# Altium PCB 3-as-manufactured.pcbdoc (part 9 of 12) (continued)
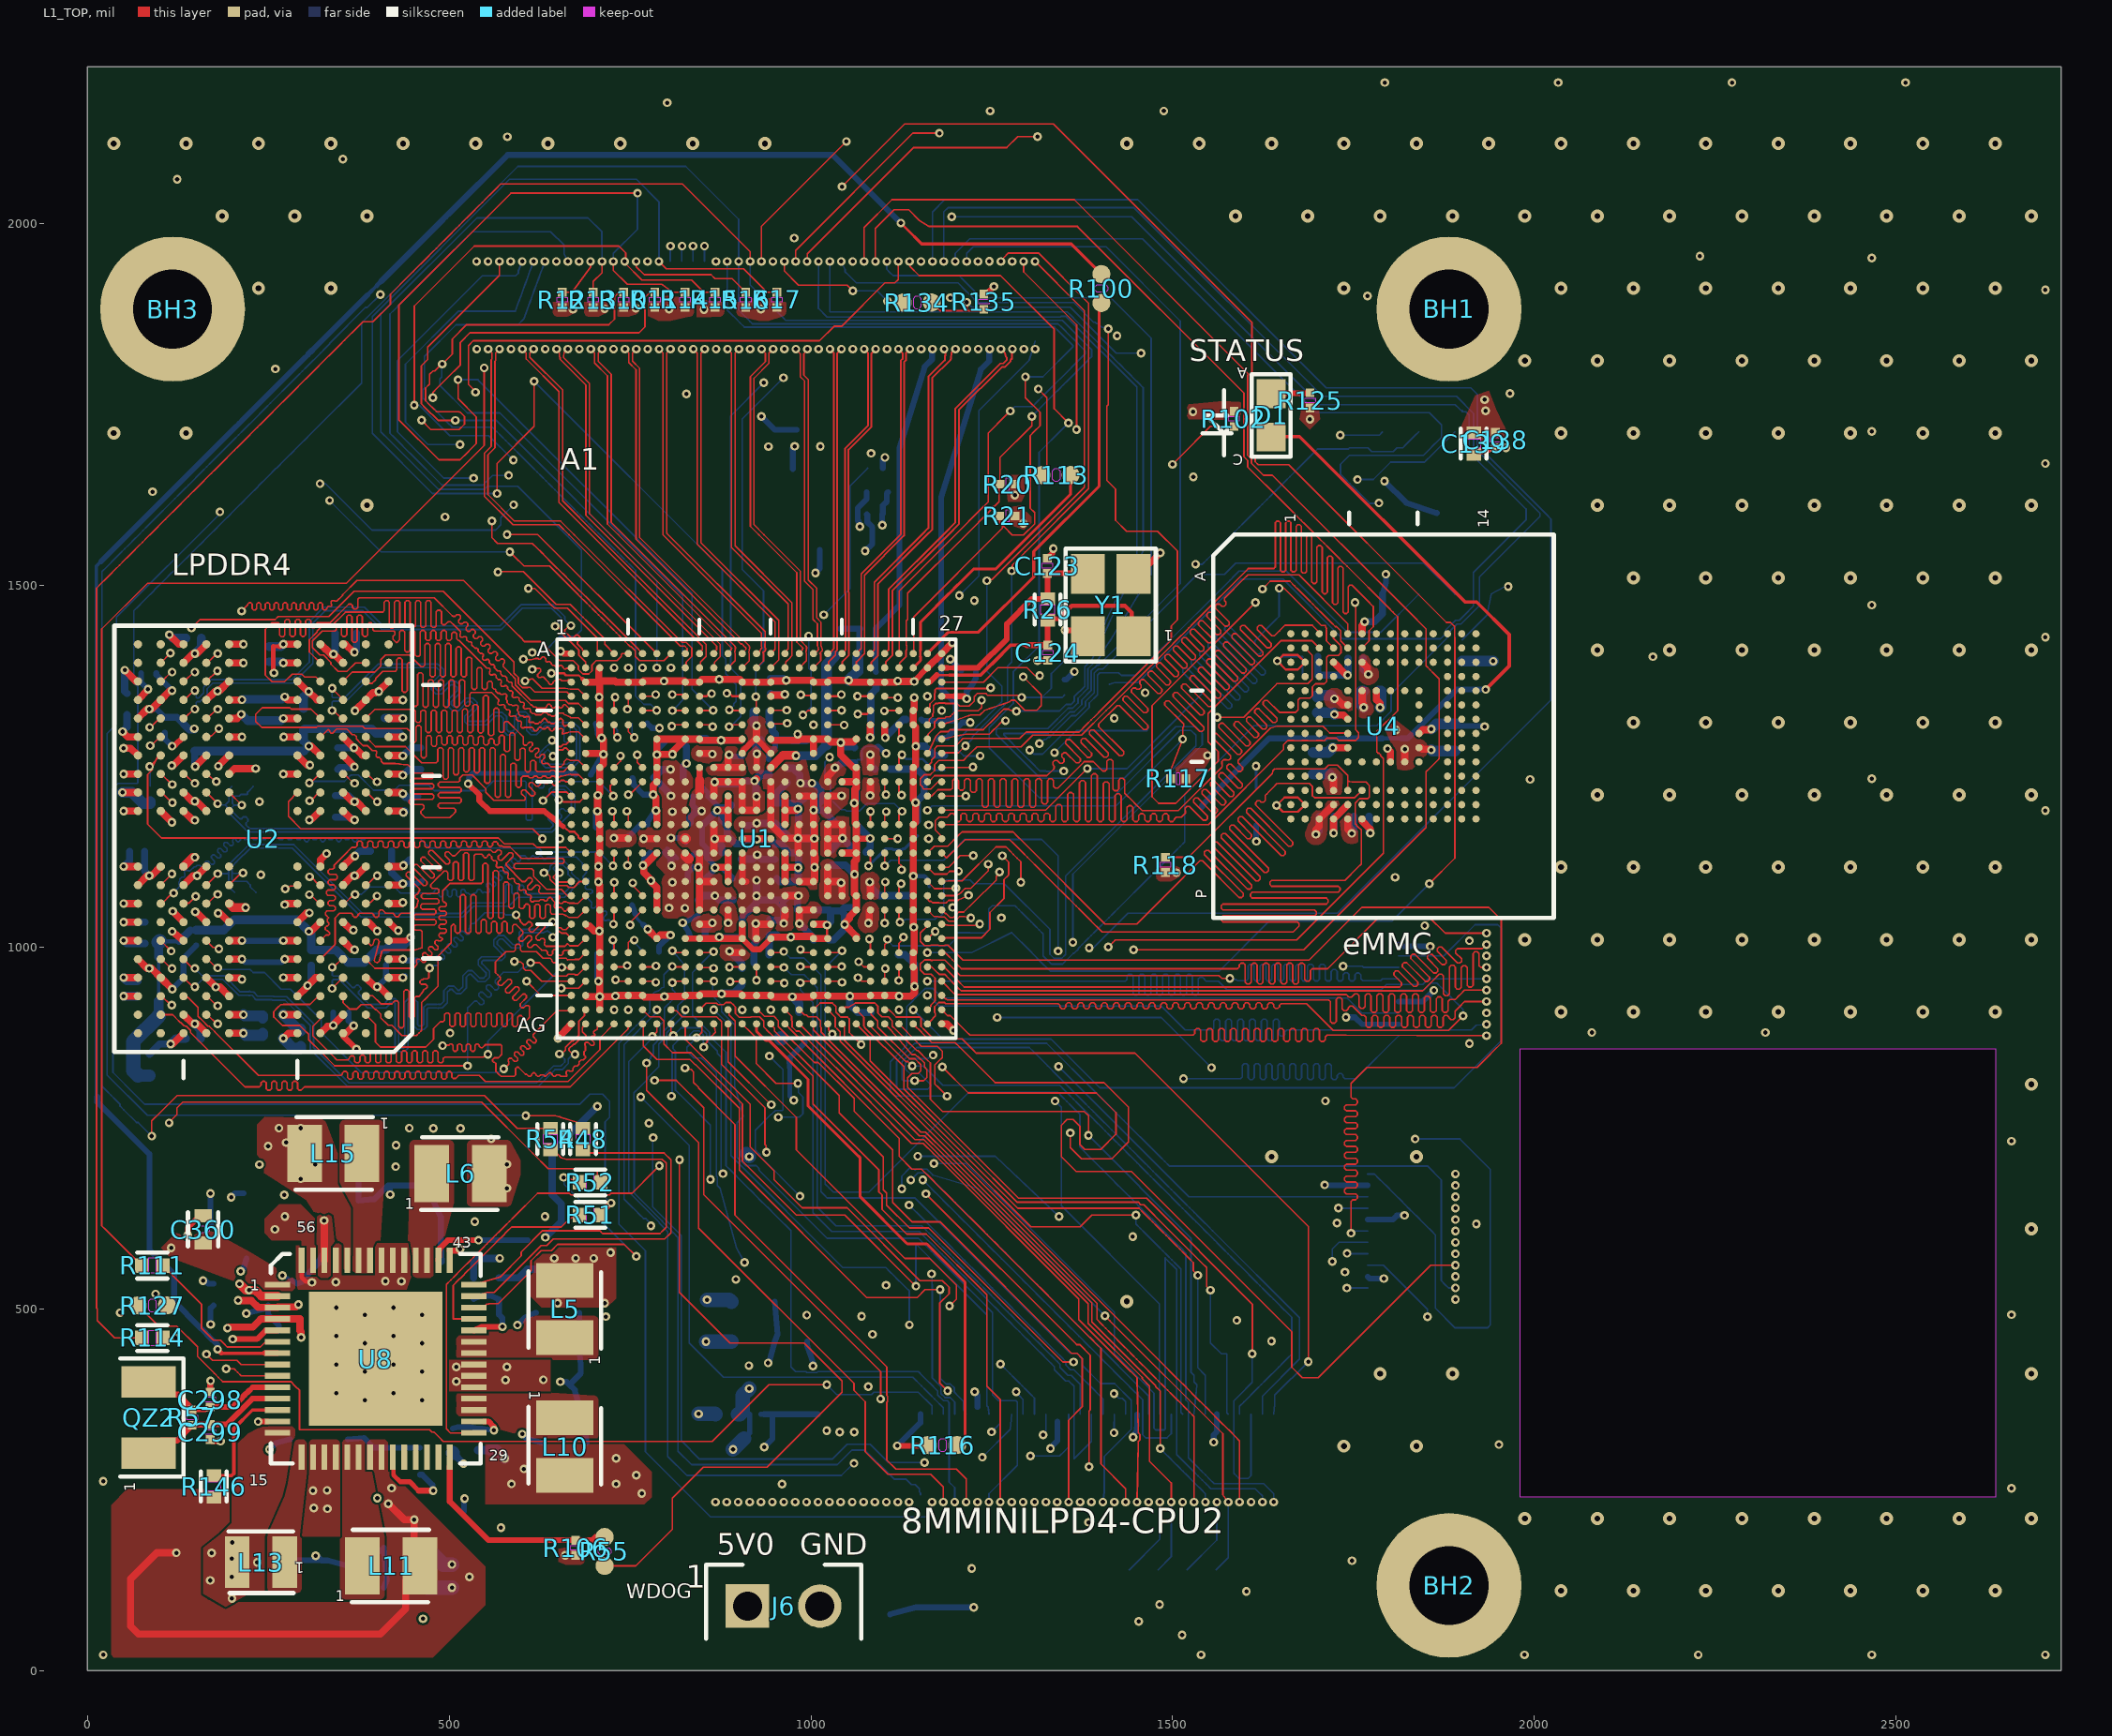
[diagram p0: L1_TOP view]
## Nets (pads, with @x,y where several pads share a name; then routed paths per layer and width w, separated by ;. In a path a pad name is that pad's centre, name@x,y a point inside that pad or via, vN(x,y) a via of type N, cw(c..) or ccw(c..) an arc to the next point about the centre after c; other vN are vias at no path point) (continued)
  other v1: 1163,1169
SD3_DATA4: U1.N27 U4.B3 | length 1677.3
  L1_TOP w2.2: U1.N27@1180.8,1169.58 1180.91,1169.49 1286.96,1169.49 1549.49,1169.49 1653.39,1273.39 1653.39,1279.81 1659.15,1285.58 1667.31,1285.58 1667.57,1285.31 1678.57,1285.31 1678.83,1285.58 1686.99,1285.58 1687.25,1285.31 1698.26,1285.31 1698.52,1285.58 1706.68,1285.58 1706.94,1285.31 1709.4,1285.31 1712.97,1288.88 1726.36,1288.88 1729.69,1285.55 1752.56,1285.55 1756.88,1289.87 1756.88,1296.54 1752.82,1300.6 1752.82,1317.36 1752.82,1367.75 1752.82,1401.34 1752.82,1475.53 v1(1751.97,1476.38) ; v1(1614.17,1476.38) 1598.65,1460.86 1471.55,1333.75 1471.55,1208.02 1480.63,1198.94 1504.4,1198.94 1521.97,1216.51 1527.83,1222.36 1533.68,1228.22 1539.54,1234.08 1557.11,1251.65 1562.97,1257.5 1562.97,1270.03 1548.88,1284.12 1548.88,1322.9 1649.86,1423.88 1650.67,1423.5 1692.64,1423.49 U4.B3@1702.6,1413.53
  L6_INNER2 w2.2: v1(1614.17,1476.38) v1(1751.97,1476.38)
SD3_DATA5: U1.M27 U4.B4 | length 1657.1
  L1_TOP w2.2: U1.M27@1180.8,1189.27 U1.M27@1180.8,1189.27 1324.47,1189.31 1376.16,1241 v1(1382.01,1246.85) ; v1(1647.14,1496.14) 1653.88,1496.14 1705.26,1444.76 1710.8,1444.76 1712.52,1440.04 ; 1712.51,1438.53 1712.51,1423.3 U4.B4@1722.28,1413.53
  L8_BOT w2.2: v1(1382.01,1246.85) 1413.28,1246.85 1436.73,1246.85 1504.8,1314.93 1510.99,1321.12 1517.18,1327.31 1539.47,1349.6 1540.25,1350.37 1540.25,1353.85 1514.03,1380.07 1514.03,1383.55 1516.35,1385.87 1519.83,1385.87 1575.74,1329.95 1579.22,1329.95 1581.54,1332.27 1581.54,1335.75 1525.62,1391.67 1525.62,1395.15 1527.94,1397.47 1531.42,1397.47 1587.34,1341.55 1590.82,1341.55 1593.14,1343.87 1593.14,1347.35 1537.22,1403.27 1537.22,1406.74 1539.54,1409.06 1543.02,1409.06 1598.94,1353.15 1602.42,1353.15 1604.73,1355.47 1604.73,1358.94 1548.82,1414.86 1548.82,1418.34 1551.14,1420.66 1554.61,1420.66 1610.53,1364.74 1614.01,1364.74 1616.33,1367.06 1616.33,1370.54 1560.41,1426.46 1560.41,1429.94 1562.73,1432.26 1566.21,1432.26 1622.13,1376.34 1625.61,1376.34 1627.93,1378.66 1627.93,1382.14 1572.01,1438.06 1572.01,1441.53 1574.33,1443.85 1577.81,1443.85 1616.52,1405.14 1620,1405.14 1622.32,1407.46 1622.32,1410.94 1613.3,1419.95 1613.3,1423.43 1640.95,1451.08 1647.14,1457.27 v1(1647.14,1496.14)
SD3_DATA6: U1.L27 U4.B5 | length 1669.2
  L1_TOP w2.2: U1.L27@1180.8,1208.96 v1@1213.96,1208.96 ; v1(1624,1495) 1634.79,1505.79 1661.96,1505.79 1668.3,1499.44 1674.65,1493.09 1681,1486.75 1687.34,1480.4 1693.69,1474.05 1700.03,1467.71 1706.38,1461.36 1712.73,1455.02 1719.07,1448.67 1724.69,1443.06 1726.36,1443.06 1732.12,1437.29 1732.12,1423.38 U4.B5@1741.97,1413.53
  L6_INNER2 w2.2: v1(1214,1209) 1364.03,1209 1365.59,1209 1368.05,1211.46 1368.05,1214.94 1358.69,1224.3 1358.69,1227.78 1361.01,1230.09 1364.49,1230.09 1383.24,1211.34 1386.72,1211.34 1389.04,1213.66 1389.04,1217.14 1375.96,1230.21 1375.96,1233.69 1378.28,1236.01 1381.76,1236.01 1394.84,1222.93 1398.32,1222.93 1400.64,1225.25 1400.64,1228.73 1390.44,1238.93 1390.44,1242.41 1392.76,1244.73 1396.24,1244.73 1406.44,1234.53 1409.91,1234.53 1412.23,1236.85 1412.23,1240.33 1393.48,1259.09 1393.48,1262.56 1395.8,1264.88 1399.28,1264.88 1418.03,1246.13 1421.51,1246.13 1423.83,1248.45 1423.83,1251.93 1405.07,1270.68 1405.07,1274.16 1407.39,1276.48 1410.87,1276.48 1429.63,1257.72 1433.11,1257.72 1435.43,1260.04 1435.43,1263.52 1416.67,1282.28 1416.67,1285.76 1418.99,1288.08 1422.47,1288.08 1441.23,1269.32 1444.7,1269.32 1447.02,1271.64 1447.02,1275.12 1428.27,1293.88 1428.27,1297.35 1430.59,1299.67 1434.07,1299.67 1452.82,1280.92 1456.3,1280.92 1458.62,1283.24 1458.62,1286.72 1439.86,1305.47 1439.86,1308.95 1442.18,1311.27 1445.66,1311.27 1464.42,1292.51 1467.9,1292.51 1470.22,1294.83 1470.22,1298.31 1451.46,1317.07 1451.46,1320.55 1453.78,1322.87 1457.26,1322.87 1476.01,1304.11 1479.49,1304.11 1481.81,1306.43 1481.81,1309.91 1463.06,1328.67 1463.06,1332.14 1465.38,1334.46 1468.85,1334.46 1487.61,1315.71 1491.09,1315.71 1493.41,1318.03 1493.41,1321.51 1474.65,1340.26 1474.65,1343.74 1476.97,1346.06 1480.45,1346.06 1499.21,1327.3 1502.69,1327.3 1505.01,1329.62 1505.01,1333.1 1486.25,1351.86 1486.25,1355.34 1488.57,1357.66 1492.05,1357.66 1510.8,1338.9 1514.28,1338.9 1516.6,1341.22 1516.6,1344.7 1497.85,1363.45 1497.85,1366.93 1500.17,1369.25 1503.64,1369.25 1522.4,1350.5 1525.88,1350.5 1528.2,1352.82 1528.2,1356.29 1509.44,1375.05 1509.44,1378.53 1511.76,1380.85 1515.24,1380.85 1534,1362.09 1537.48,1362.09 1539.8,1364.41 1539.8,1367.89 1521.04,1386.65 1521.04,1390.13 1523.36,1392.45 1526.84,1392.45 1545.59,1373.69 1549.07,1373.69 1551.39,1376.01 1551.39,1379.49 1532.64,1398.24 1532.64,1401.72 1534.96,1404.04 1538.43,1404.04 1557.19,1385.29 1560.67,1385.29 1562.99,1387.61 1562.99,1391.08 1544.23,1409.84 1544.23,1413.32 1546.55,1415.64 1550.03,1415.64 1562.1,1403.57 1565.57,1403.57 1578,1416 1578,1435.81 1578,1471 1602,1495 v1(1624,1495)
SD3_DATA7: U1.K27 U4.B6 | length 1754.6
  L1_TOP w2.2: U1.K27@1180.81,1228.64 1175.87,1228.64 1165.72,1218.49 1155.56,1218.49 1154.55,1221.03 1154.06,1221.77 1151.27,1224.56 1151.27,1232.72 1157.03,1238.48 1165.19,1238.48 1170.95,1244.25 1170.95,1252.4 1176.72,1258.17 1188.07,1258.17 ; 1188.07,1258.16 1210.7,1258.16 1216.97,1264.43 ; 1216.98,1264.43 1223.25,1270.7 1229.51,1276.97 1290.68,1276.97 1306.71,1293 1374.06,1293 1408.13,1327.07 1414.46,1333.4 1439.77,1358.72 1446.1,1365.04 1496.73,1415.67 1503.05,1422 1522.04,1440.98 1528.37,1447.31 1604.31,1523.25 1638.49,1523.25 1639.6,1523.25 1641.76,1525.41 1641.76,1586.58 1643.92,1588.74 1646.8,1588.74 1648.96,1586.58 1648.96,1520.88 1651.12,1518.72 1654,1518.72 1656.16,1520.88 1656.16,1586.58 1658.32,1588.74 1661.2,1588.74 1663.36,1586.58 1663.36,1520.88 1665.52,1518.72 1668.4,1518.72 1670.56,1520.88 1670.56,1581.63 1672.72,1583.79 1675.6,1583.79 1677.76,1581.63 1677.76,1519.32 1679.92,1517.16 1682.8,1517.16 1684.96,1519.32 1684.96,1567.23 1687.12,1569.39 1690,1569.39 1692.16,1567.23 1692.16,1504.92 1694.32,1502.76 1697.2,1502.76 1699.36,1504.92 1699.36,1552.83 1701.52,1554.99 1704.4,1554.99 1706.56,1552.83 1706.56,1490.52 1708.72,1488.36 1711.6,1488.36 1713.76,1490.52 1713.76,1538.43 1715.92,1540.59 1718.8,1540.59 1720.96,1538.43 1720.96,1476.12 1723.12,1473.96 1726,1473.96 1728.16,1476.12 1728.16,1524.03 1730.32,1526.19 1733.2,1526.19 1735.36,1524.03 1735.36,1463.25 1737.52,1461.09 1740.4,1461.09 1742.56,1463.25 1742.56,1498.1 1744.72,1500.26 1747.77,1500.26 1768.58,1479.45 1777.26,1470.77 1777.26,1443.06 1771.49,1437.29 1771.49,1423.38 U4.B6@1761.65,1413.53
SD3_STROBE: U1.P27 U4.H5 | length 1758.8
  L1_TOP w2.2: U1.P27@1180.8,1149.9 1180.79,1153.2 1172.1,1161.89 1172.1,1174.81 1177.01,1179.72 1187.29,1179.72 1188.39,1179.72 1190.85,1182.18 1190.85,1182.57 1193.31,1185.03 1196.59,1185.03 1199.05,1182.57 1199.05,1176.15 1201.51,1173.69 1204.79,1173.69 1207.25,1176.15 1207.25,1182.65 1209.71,1185.11 1212.99,1185.11 1215.45,1182.65 1215.45,1176.15 1217.91,1173.69 1221.19,1173.69 1223.65,1176.15 1223.65,1182.65 1226.11,1185.11 1229.39,1185.11 1231.85,1182.65 1231.85,1176.15 1234.31,1173.69 1237.59,1173.69 1240.05,1176.15 1240.05,1182.65 1242.51,1185.11 1245.79,1185.11 1248.25,1182.65 1248.25,1176.15 1250.71,1173.69 1253.99,1173.69 1256.45,1176.15 1256.45,1182.65 1258.91,1185.11 1262.19,1185.11 1264.65,1182.65 1264.65,1176.15 1267.11,1173.69 1270.39,1173.69 1272.85,1176.15 1272.85,1182.65 1275.31,1185.11 1278.59,1185.11 1281.05,1182.65 1281.05,1176.15 1283.51,1173.69 1286.79,1173.69 1289.25,1176.15 1289.25,1182.65 1291.71,1185.11 1294.99,1185.11 1297.45,1182.65 1297.45,1176.15 1299.91,1173.69 1303.19,1173.69 1305.65,1176.15 1305.65,1182.65 1308.11,1185.11 1311.39,1185.11 1313.85,1182.65 1313.85,1176.15 1316.31,1173.69 1319.59,1173.69 1322.05,1176.15 1322.05,1182.65 1324.51,1185.11 1327.79,1185.11 1330.25,1182.65 1330.25,1176.15 1332.71,1173.69 1335.99,1173.69 1338.45,1176.15 1338.45,1194.89 1340.91,1197.35 1344.19,1197.35 1346.65,1194.89 1346.65,1176.15 1349.11,1173.69 1352.39,1173.69 1354.85,1176.15 1354.85,1211.29 1357.31,1213.75 1360.59,1213.75 1363.05,1211.29 1363.05,1176.15 1365.51,1173.69 1368.79,1173.69 1371.25,1176.15 1371.25,1227.69 1373.71,1230.15 1376.99,1230.15 1379.45,1227.69 1379.45,1176.15 1381.91,1173.69 1385.19,1173.69 1387.65,1176.15 1387.65,1237.16 1390.11,1239.62 1393.39,1239.62 1395.85,1237.16 1395.85,1176.15 1398.31,1173.69 1401.59,1173.69 1404.05,1176.15 1404.05,1225.99 1406.51,1228.45 1409.79,1228.45 1412.25,1225.99 1412.25,1176.15 1414.71,1173.69 1417.99,1173.69 1420.45,1176.15 1420.45,1209.59 1422.91,1212.05 1426.19,1212.05 1428.65,1209.59 1428.65,1176.15 1431.11,1173.69 1434.39,1173.69 1436.85,1176.15 1436.85,1193.19 1439.31,1195.65 1442.59,1195.65 1445.05,1193.19 1445.05,1176.15 1447.51,1173.69 1450.79,1173.69 1453.25,1176.15 1453.25,1182.09 1455.71,1184.55 1458.99,1184.55 1461.45,1182.09 1461.45,1176.15 1463.91,1173.69 1467.19,1173.69 1469.65,1176.15 1469.65,1182.09 1472.11,1184.55 1475.39,1184.55 1477.85,1182.09 1477.85,1176.15 1480.31,1173.69 1483.59,1173.69 1486.05,1176.15 1486.05,1182.09 1488.51,1184.55 1491.79,1184.55 1494.25,1182.09 1494.25,1176.15 1496.71,1173.69 1499.99,1173.69 1502.45,1176.15 1502.45,1177.26 1504.91,1179.72 1510.96,1179.72 1511.94,1179.72 1515.02,1182.8 1516.64,1184.42 1517.42,1185.19 1517.42,1188.67 1517.28,1188.81 1517.28,1192.29 1519.6,1194.61 1523.08,1194.61 1542.26,1175.42 1545.74,1175.42 1548.06,1177.74 1548.06,1181.22 1528.88,1200.41 1528.88,1203.89 1531.2,1206.2 1534.67,1206.2 1555.73,1185.15 1559.21,1185.15 1561.53,1187.47 1561.53,1190.95 1540.47,1212 1540.47,1215.48 1542.79,1217.8 1546.27,1217.8 1567.33,1196.75 1570.81,1196.75 1573.13,1199.07 1573.13,1202.54 1552.07,1223.6 1552.07,1227.08 1554.39,1229.4 1557.87,1229.4 1578.92,1208.34 1582.4,1208.34 1584.72,1210.66 1584.72,1214.14 1563.67,1235.2 1563.67,1238.68 1565.99,1240.99 1569.46,1240.99 1590.52,1219.94 1594,1219.94 1596.32,1222.26 1596.32,1225.74 1574.99,1247.07 1574.99,1250.55 1577.31,1252.87 1580.79,1252.87 1590.74,1242.92 1594.22,1242.92 1596.53,1245.24 1596.53,1248.71 1590.48,1254.77 1590.48,1258.25 1635.17,1302.94 1643.46,1305.4 1645.97,1305.4 1707.6,1305.4 1717,1296 1741.39,1296 U4.H5@1741.97,1295.42
SPDIF_EXT_CLK: J5.63 U1.AF8 | length 956.7
  L1_TOP w2.2: U1.AF8@806.78,913.68 808.27,912.19 814.04,912.19 822.39,903.84 869.91,903.84 876.42,897.32 876.42,838.1 936.64,777.88 936.64,727.14 938.18,725.6 938.18,717.17 v1(938.61,716.74)
  L3_INNER1 w2.2: v1(938.61,716.74) 938.61,716.46 940.07,715 969.99,685.07 976.3,678.77 982.6,672.46 1096.09,558.97 1303.5,351.57 v1(1303.5,296.88)
  L8_BOT w2.2: v1(1303.5,296.88) 1343.6,296.88 1349.92,303.2 1356.24,309.52 J5.63@1356.25,354.53
SPDIF_RX: J5.59 U1.AG9 | length 909.8
  L1_TOP w2.2: U1.AG9@826.47,893.99 826.47,872.53 916,783 916,724.08 925.08,715 948.99,691.08 948.99,678.87 987.88,639.97 1049.97,639.97 1150.63,539.32 1181.68,539.32 1191,530 1191,521.13 1178,508.13 1178,398 v1(1189,387)
  L6_INNER2 w2.2: v1(1189,387) 1210.6,365.4 1281.6,365.4 v1(1321,326)
  L8_BOT w2.2: v1(1321,326) 1321,328.53 1324.76,332.29 J5.59@1324.76,354.53
SPDIF_TX: J5.57 U1.AF9 | length 873.9
  L3_INNER1 w2.2: v1(807.39,794.2) 807.47,794.12 867.23,794.12 901.38,794.12 952.61,794.12 958.47,788.26 964.33,782.4 970.19,776.54 976.05,770.68 976.05,713.97 982.06,707.96 994.23,695.79 1000.39,689.62 1012.72,677.3 1018.88,671.14 1031.2,658.82 1037.37,652.65 1049.69,640.33 1055.85,634.17 1068.17,621.85 1074.34,615.68 1086.66,603.36 1092.82,597.2 1098.98,591.04 1105.14,584.87 1123.63,566.39 1129.79,560.23 1135.95,554.07 1142.12,547.9 1154.44,535.58 1160.6,529.42 1160.6,513.79 1226.41,447.99 1232.39,442.01 1238.37,436.02 1244.35,430.04 1250.33,424.06 v1(1261.83,424.06)
  L8_BOT w2.2: v1(807.39,794.2) 808.3,795.11 808.3,854.85 800.7,862.45 800.7,881.85 809.89,891.04 809.89,891.66 824.69,906.46 826.47,906.46 v1(826.47,913.68) ; v1(1261.83,424.06) 1275.24,410.66 1280.86,405.03 1286.49,399.4 1292.12,393.78 1297.74,388.15 1303.37,382.52 1309,376.9 J5.57@1309,354.53
SWOUT_3V3: C410.1 U8.23 | length 120
  L1_TOP w5.71: U8.23@422.31,295.4 423.45,294.26 423.45,270.64
  L1_TOP w6.29: 423.45,270.64 432.57,261.53
  L1_TOP w6.88: 432.57,261.53 445.47,261.53 458,249
  L1_TOP w8.05: 458,249 v1(478,249)
  L8_BOT w8.05: C410.1@460,271 463,271 477.24,256.76 477.24,249.76 v1(478,249)
SYS_NRST: J5.39 R127.1 | length 1273.4
  L1_TOP w2.2: R127.1@70,505 75.69,499.31 81.38,493.62 87.06,487.94 92.75,482.25 98.44,476.56 123.62,476.56 152.37,447.81 152.37,434.56 158.19,428.75 163.99,422.95 169.8,417.14 175.6,411.33 181.41,405.53 187.21,399.72 195.76,399.72 204.31,399.72 212.85,399.72 221.4,399.72 229.95,399.72 238.49,399.72 247.04,399.72 255.59,399.72 264.13,399.72 272.68,399.72 281.23,399.72 287.36,393.59 293.49,387.46 293.49,333.41 301.6,333.41 301.96,333.06 473.32,333.06 475.83,330.56 475.83,330.17 479.08,330.17 481.23,328.01 486.63,322.61 492.03,317.21 500.88,317.21 509.73,317.21 518.58,317.21 527.44,317.21 536.29,317.21 545.14,317.21 553.99,317.21 562.84,317.21 571.7,317.21 580.55,317.21 589.4,317.21 598.25,317.21 607.1,317.21 615.95,317.21 624.81,317.21 633.66,317.21 642.51,317.21 651.36,317.21 660.21,317.21 669.07,317.21 677.92,317.21 686.77,317.21 695.62,317.21 704.47,317.21 713.33,317.21 722.18,317.21 731.03,317.21 739.88,317.21 748.73,317.21 757.59,317.21 766.44,317.21 775.29,317.21 784.14,317.21 792.99,317.21 801.84,317.21 810.7,317.21 819.55,317.21 828.4,317.21 837.25,317.21 846.1,317.21 854.96,317.21 863.81,317.21 941.98,395.38 1013.73,395.38 v1(1022.04,395.38)
  L8_BOT w2.2: v1(1022.04,395.38) 1029.41,388.01 1035.57,381.85 1083.94,381.85 1087.15,385.06 1148.27,385.06 1167.28,366.05 J5.39@1167.28,354.53
SYS_STATUS: Q1.1 U1.P26 | length 536.4
  L3_INNER1 w2.2: v1(1163,1150) 1177,1136 1250.41,1136 1258.41,1144 1509.45,1144 1615.24,1249.79 v1(1615.24,1250.23)
  L8_BOT w4.1: v1(1615.24,1250.23) 1615.24,1219.73 Q1.1@1615.47,1219.5
TEST_MODE: J4.56 R134.2 | length 195
  L1_TOP w2.2: v1(963.26,1947.75) 963.26,1934.57 983,1914.83 1050.22,1914.83 v1(1058.05,1906.99) ; v1(1105.81,1892.7) 1107.52,1891 R134.2@1126.99,1891
  L8_BOT w2.2: v1(1058.05,1906.99) 1091.52,1906.99 v1(1105.81,1892.7)
TESTMODE: R134.1 R135.1 U1.D26 | length 1055.5
  L1_TOP w2.2: R134.1@1166.99,1891 1178.41,1879.58 1213.76,1879.58 ; v1(1215.6,1891.22) 1215.6,1881.42 1213.76,1879.57 ; R135.1@1239,1881.48 1233.28,1879.57 1213.76,1879.57
  L3_INNER1 w2.2: v1(1161.11,1346.75) 1161.48,1346.38 1161.48,1322.07 1170.55,1313 1196.93,1313 1212.74,1328.81 1225,1328.81 1241.11,1328.81 1241.83,1329.54 1247.9,1335.6 1266.09,1353.8 1266.28,1353.98 1266.28,1389.12 1449.41,1572.25 1449.41,1813.93 v1(1456.45,1820.97)
  L8_BOT w2.2: v1(1215.6,1891.22) 1218.98,1887.85 1222.35,1884.48 1316.01,1884.48 1358.58,1884.48 1422.08,1820.97 1430.68,1820.97 v1(1456.45,1820.97)
TS_RES_EXT: R103.1 U1.J24 | length 87
  L1_TOP w3: U1.J24@1121.74,1248.32 1121.74,1262.01 v1(1125.7,1265.97)
  L8_BOT w3: v1(1125.7,1265.97) 1131.77,1259.9 1154.89,1259.9 1170.4,1244.39 R103.1@1184.52,1244.39
TS_TEST_OUT: U1.J23
UART1_CTS: J8.5 U1.E18 | length 1610.4
  L1_TOP w2.2: v1(989,1321) 989.74,1321 995.77,1327.03 U1.E18@1003.6,1327.03
  L3_INNER1 w2.2: v1(996.91,1430.16) 997.23,1430.48 1007.31,1430.48 1014.43,1423.36 1014.43,1250.57 1031.42,1233.58 1031.42,1197.53 1054.99,1173.95 1055.57,1173.36 1087.08,1173.36 1091.84,1168.61 1096.59,1163.86 1101.34,1159.11 1101.34,1137.65 1105.06,1133.93 1109.73,1129.25 1178.96,1129.25 1194.38,1113.84 1195.02,1113.2 1196.84,1113.2 1202.41,1114.16 cw(c1204,1105) 1205.86,1114.11 1210.4,1113.2 1220.45,1103.14 1239.32,1103.14 1252.83,1089.63 1274.76,1089.63 1280.22,1095.1 1285.69,1100.57 1294.24,1100.57 1299.3,1095.51 1304.35,1090.45 1309.41,1085.39 1662.57,1085.39 1681.3,1066.66 1687.54,1060.42 1693.78,1054.17 1700.03,1047.93 1706.27,1041.69 1712.51,1035.44 1718.76,1029.2 1725,1022.96 1731.24,1016.71 1806.16,941.8 1812.4,935.55 1818.65,929.31 1824.89,923.07 1831.13,916.82 1837.37,910.58 1881.08,866.88 1881.08,858.05 1881.08,699.03 1881.08,663.69 1886.59,658.17 v1(1890.63,655.12)
  L8_BOT w2.2: v1(989,1321) 1000.3,1332.3 1000.3,1382.11 996.91,1385.5 v1(996.91,1430.16)
UART1_RTS: J8.13 U1.D18 | length 1601.8
  L1_TOP w2.2: v1(986,1348.92) 987.08,1347.84 1002.55,1347.84 U1.D18@1003.63,1346.75
  L3_INNER1 w2.2: 985.67,1366.36 985.67,1349.25 v1(986,1348.92) ; 985.65,1366.39 985.65,1379.45 983.1,1382 957.27,1382 952.14,1376.88 952.14,1281.85 952.88,1281.11 952.88,1222.12 970,1205 1008.56,1205 1016.99,1196.57 1016.99,1178.2 1032.04,1163.15 1032.04,1144.78 1032.04,1139.23 1046.86,1124.41 1107.22,1124.41 1111.79,1119.84 1141.17,1119.84 1141.88,1119.72 1142.89,1119.37 1169.46,1110.2 1190.03,1093.49 1190.64,1093 1191.42,1093 1225,1093 1237.69,1093 1258.09,1072.6 1649.84,1072.6 1662.17,1060.27 1668.33,1054.11 1674.49,1047.94 1705.31,1017.13 1711.48,1010.96 1717.64,1004.8 1820.5,901.94 1820.5,661.27 1886.59,595.18 v1(1890.63,592.13)
UART1_RXD: J8.11 U1.E14 | length 2599.7
  L1_TOP w2.2: v1(924,1346.05) 924.44,1345.61 924.44,1327.51 U1.E14@924.89,1327.06
  L6_INNER2 w2.2: v1(962,1787) 983.22,1808.22 1472.08,1808.22 1488.86,1825 1693,1825 1944,1574 1944,1411.28 1955.05,1400.23 1955.05,1082.56 1944,1071.51 1944,661.24 v1(1890.63,607.87)
  L8_BOT w2.2: v1(924,1346.05) 924,1384.02 934.69,1394.71 934.69,1492.31 905,1522 905,1730 v1(962,1787)
UART1_TXD: J8.7 U1.F13 | length 2561.4
  L1_TOP w2.2: v1(886.83,1304.74) 889.47,1307.38 U1.F13@905.21,1307.38
  L6_INNER2 w2.2: v1(935,1780) 936.18,1780 944.18,1772 971,1772 997.32,1798.32 1686.68,1798.32 1920.38,1564.62 1920.38,669.12 v1(1890.63,639.37)
  L8_BOT w2.2: v1(886.83,1304.74) 888.95,1304.74 903.14,1318.93 903.14,1371.86 889.25,1385.75 889.25,1570 889.25,1734.25 v1(935,1780)
UART2_RXD: J4.36 U1.F15 | length 1340.3
  L1_TOP w2.2: U1.F15@944.57,1307.38 945.65,1308.46 966.31,1308.46 v1(967.39,1309.54)
  L5_PWR w2.2: v1(806,1969) 786.15,1988.85 519.41,1988.85 452,1921.44 452,1807.18 544.36,1714.82 640.97,1714.82 785.79,1570 930.89,1424.9 930.89,1424.11 978.76,1376.24 978.76,1363.76 974.85,1359.85 974.85,1354.03 974.85,1344.83 968.49,1338.47 961.4,1338.47 955.5,1332.57 955.5,1331.96 955.5,1321.42 v1(967.39,1309.54)
  L8_BOT w2.2: J4.36@805.78,1947.75 v1@805.78,1968.78
UART2_TXD: J4.38 U1.E15 | length 1308.9
  L1_TOP w2.2: U1.E15@944.57,1327.06 944.85,1327.34 966.22,1327.34 v1(966.5,1327.62)
  L5_PWR w2.2: v1(822,1969) 811.26,1958.26 680.29,1958.26 674.55,1964 518,1964 470.62,1916.62 470.62,1806.41 551.02,1726 649.97,1726 805.97,1570 1000,1375.97 1000,1347.36 990.56,1337.92 982.35,1337.92 978.22,1333.8 975.92,1333.8 969.75,1327.62 v1(966.5,1327.62)
  L8_BOT w2.2: J4.38@821.53,1947.75 v1@821.53,1968.53
UART3_CTS: J4.10 U1.A7 | length 848.5
  L1_TOP w2.2: v1(580.21,1570.47) 592.02,1570.47 622.43,1570.47 U1.A7@787.09,1405.81
  L3_INNER1 w2.2: v1(533.9,1648.29) 533.9,1596.56 559.99,1570.47 v1(580.21,1570.47)
  L8_BOT w2.2: v1(533.9,1648.29) 492.49,1648.29 428.66,1712.11 428.66,1810.42 545.94,1927.69 592.01,1927.69 595.85,1931.53 595.85,1934.72 v1(601.06,1947.75)
UART3_RTS: J4.2 U1.B6 | length 867.3
  L3_INNER1 w2.2: v1(538.06,1947.75) 505.88,1915.58 400.36,1915.58 391.76,1906.97 391.76,1825.92 398.13,1819.55 404.5,1813.18 410.87,1806.81 417.24,1800.44 423.61,1794.07 429.98,1787.7 436.35,1781.33 442.72,1774.96 449.09,1768.59 455.47,1762.22 461.84,1755.85 468.21,1749.48 474.58,1743.11 474.58,1728.41 474.58,1640.23 556.6,1558.21 564.46,1558.21 572.34,1558.21 580.21,1558.21 588.08,1558.21 595.95,1558.21 603.82,1558.21 610.12,1551.92 616.41,1545.62 622.7,1539.33 628.99,1533.04 635.28,1526.75 641.57,1520.46 647.86,1514.17 654.16,1507.88 660.45,1501.58 666.74,1495.29 673.03,1489 679.32,1482.71 685.61,1476.42 691.9,1470.13 698.2,1463.84 704.49,1457.54 710.78,1451.25 717.07,1444.96 723.36,1438.67 729.65,1432.38 735.94,1426.09 742.24,1419.79 748.53,1413.5 754.82,1407.21 761.11,1400.92 767.4,1394.63 v1(767.41,1386.12)
UART3_RXD: J4.4 U1.D6 | length 764
  L1_TOP w2.2: U1.D6@767.41,1346.75 783.23,1346.75 v1(785.61,1349.13)
  L3_INNER1 w2.2: 502.79,1834.66 502.79,1827.83 502.79,1821.01 502.79,1814.85 503.12,1814.51 503.12,1812.69 503.73,1807.33 cw(c490.51,1805.82) 503.72,1804.25 502.79,1796.4 502.79,1787.51 502.79,1778.62 502.79,1769.73 502.79,1760.84 502.79,1751.94 563.14,1691.59 563.14,1683.9 563.14,1676.2 563.14,1668.51 563.14,1660.82 563.14,1653.12 563.14,1645.43 568.56,1640.01 573.97,1634.6 579.39,1629.18 579.39,1621.76 579.39,1614.34 579.39,1606.93 585.61,1600.7 591.83,1594.48 598.06,1588.25 604.28,1582.03 610.5,1575.81 616.73,1569.58 622.95,1563.36 629.18,1557.14 635.4,1550.91 641.62,1544.69 647.85,1538.46 654.07,1532.24 660.29,1526.02 666.52,1519.79 672.74,1513.57 678.97,1507.35 685.19,1501.12 691.41,1494.9 697.64,1488.67 703.86,1482.45 710.08,1476.23 716.31,1470 722.53,1463.78 728.76,1457.56 734.98,1451.33 741.2,1445.11 747.43,1438.88 753.65,1432.66 759.87,1426.44 766.1,1420.21 772.32,1413.99 778.55,1407.77 784.77,1401.54 790.99,1395.32 796.64,1389.67 796.64,1381.64 782.61,1367.61 782.61,1352.12 v1(785.61,1349.13) ; 502.79,1834.67 502.79,1880.27 v1(553.81,1947.75)
UART3_TXD: J4.6 U1.B7 | length 788
  L1_TOP w2.2: v1(508.83,1728.13) 484.74,1728.13 467.49,1745.38 461.74,1751.14 461.74,1777.26 461.74,1803.38 470.62,1812.26 470.62,1829.34 569.57,1928.29 v1(569.56,1947.75)
  L8_BOT w2.2: v1(508.83,1728.13) 520.92,1728.13 529.7,1728.13 547.28,1728.13 556.06,1728.13 564.85,1728.13 787.08,1505.9 v1(787.09,1386.12)
UART4_RXD: J4.40 U1.F19 | length 1392.8
  L1_TOP w2.2: U1.F19@1023.31,1307.38 1023.5,1307.19 1045.81,1307.19 v1(1046,1307)
  L3_INNER1 w2.2: v1(837,1969) 837.37,1969.37 837.37,1981.37 843,1987 875.54,1987 950.52,2061.97 959.44,2061.97 1209.44,2061.97 1318.92,1952.49 1325,1946.41 1325,1771.65 1325.01,1683.39 1318.72,1677.1 1280.98,1639.35 1274.69,1633.06 1268.4,1626.77 1249.53,1607.9 1243.24,1601.61 1205.49,1563.87 1199.2,1557.58 1174.04,1532.42 1167.75,1526.13 1123.72,1482.1 1117.43,1475.81 1098.56,1456.94 1098.56,1420.96 1098.56,1340.01 1092.83,1334.28 1087.11,1328.55 1081.38,1322.83 1075.66,1317.1 1069.93,1311.38 1064.2,1305.65 1047.35,1305.65 v1(1046,1307)
  L8_BOT w2.2: J4.40@837.28,1947.75 v1@837.28,1968.72
UART4_TXD: J4.42 U1.F18 | length 1187.3
  L3_INNER1 w2.2: v1(853,1969) 853,1938.1 827.5,1912.61 589.61,1912.61 526.71,1849.71 526.71,1804.63 554.27,1777.07 599.43,1777.07 606.88,1769.61 617.06,1769.61 805.33,1581.34 811.6,1575.07 817.88,1568.8 824.15,1562.52 830.43,1556.25 836.7,1549.97 842.97,1543.7 849.25,1537.42 855.52,1531.15 861.8,1524.87 868.07,1518.6 874.35,1512.33 1003.63,1383.04 v1(1003.63,1307.38)
  L8_BOT w2.2: J4.42@853.02,1947.75 v1(853,1969)
USB1_DN: J4.83 U1.A22 | length 462.2
  L1_TOP w2.5: U1.A22@1082.37,1405.81 1082.93,1405.82 1087.8,1410.68 1087.8,1504.4 1153.4,1570 1162.55,1579.15 1162.55,1788.53 1184.98,1810.97 1184.98,1816.87 1185.68,1817.56 1185.68,1821.28 1185.41,1821.54 1185.41,1824 v1@1185.95,1824.53
  other v1: 1183.98,1826.55
USB1_DP: J4.85 U1.B22 | length 488.6
  L1_TOP w2.5: U1.B22@1082.37,1386.12 1083.81,1387.56 1083.81,1394.16 1092.8,1403.16 1092.8,1502.33 1160.47,1570 1167.55,1577.08 1167.55,1786.46 1193.07,1811.99 1193.07,1812.13 1193.13,1812.19 1193.19,1812.25 1193.24,1812.32 1193.29,1812.38 1193.34,1812.45 1193.39,1812.52 1193.43,1812.59 1193.48,1812.67 1193.51,1812.74 1193.55,1812.82 1193.59,1812.9 1193.62,1812.97 1193.65,1813.05 1193.67,1813.14 1193.69,1813.22 1193.71,1813.3 1193.73,1813.38 1193.75,1813.47 1193.76,1813.55 1193.77,1813.63 ; 1193.77,1813.68 1194.25,1821.39 v1@1199.71,1826.15
  other v1: 1199.73,1826.55
USB1_ID: J4.89 U1.D22 | length 570.2
  L1_TOP w3: v1(1064.23,1346.75) U1.D22@1082.37,1346.75
  L3_INNER1 w2.2: v1(1064.23,1346.75) 1066.84,1349.38 1066.84,1375 1063.1,1378.74 1063.1,1387.45 1063.1,1396.16 1063.1,1404.87 1063.1,1413.58 1063.1,1422.3 1063.1,1431.01 1063.1,1439.72 1063.1,1448.43 1063.1,1457.14 1063.1,1465.85 1063.1,1474.56 1063.1,1483.27 1063.1,1491.98 1063.1,1500.7 1063.1,1509.41 1063.1,1518.12 1063.1,1526.83 1063.1,1535.54 1063.1,1544.25 1063.1,1552.96 1063.1,1561.67 1069.32,1567.9 1075.55,1574.13 1081.78,1580.35 1088,1586.58 1094.23,1592.81 1100.46,1599.03 1106.68,1605.26 1112.91,1611.49 1119.14,1617.71 1125.36,1623.94 1131.59,1630.17 1137.82,1636.39 1144.04,1642.62 1150.27,1648.85 1156.5,1655.07 1162.72,1661.3 1168.95,1667.53 1175.18,1673.75 1181.4,1679.98 1187.63,1686.21 1193.86,1692.43 1200.08,1698.66 1206.31,1704.89 1212.54,1711.11 1218.76,1717.34 1224.99,1723.57 1231.22,1729.79 v1(1231.23,1826.55)
USB1_VBUS: C393.1 J4.81 R108.2 | length 469.8
  L8_BOT w8.05: R108.2@1089.9,1380.42 1089.51,1380.81 C393.1@1089.51,1440 1122.31,1472.8 1122.31,1689.53 1157.19,1801.96 1167.47,1812.21 1167.47,1825.79 v1(1168.23,1826.55)
USB2_DN: J4.93 U1.A23 | length 494.9
  L1_TOP w2.5: U1.A23@1102.91,1406.42 1103.23,1406.42 1107.49,1410.67 1107.49,1494.75 1182.74,1570 1199.65,1586.91 1199.65,1744.39 1261.95,1806.7 1265.99,1806.7 1270.67,1811.39 1270.67,1815.02 1269.31,1816.39 1268.25,1821 v1@1262.7,1826.15
  other v1: 1262.72,1826.55
USB2_DP: J4.95 U1.B23 | length 514.3
  L1_TOP w2.5: U1.B23@1102.05,1386.12 1103.48,1387.55 1103.48,1394.16 1112.49,1403.17 1112.49,1492.68 1189.81,1570 1204.65,1584.84 1204.65,1742.32 1264.02,1801.7 1268.06,1801.7 1275.67,1809.32 1275.67,1811.48 1277.14,1812.95 1277.61,1812.95 1277.61,1823.41 v1@1276.4,1824.61
  other v1: 1278.47,1826.55
USB2_ID: J4.99 U1.D23 | length 587.9
  L1_TOP w2.2: U1.D23@1102.05,1346.75 1103.77,1345.03 v1(1120.31,1345.03)
  L3_INNER1 w2.2: v1@1120.3,1345.02 1126,1350.71 1131.55,1356.26 1131.55,1363.54 1131.55,1370.83 1131.55,1378.11 1131.55,1385.4 1131.55,1393.08 1205.24,1466.77 1205.24,1473.95 v1(1205.24,1486.05)
  L8_BOT w2.2: v1(1205.24,1486.05) 1212.01,1492.82 1232.17,1512.98 1232.17,1741.7 1301.84,1811.38 1306.85,1827.52 J4.99@1309.96,1837.54
  other v1: 1309.97,1826.55
USB2_VBUS: C394.1 J4.91 R109.2 | length 581
  L8_BOT w8.05: R109.2@1152.4,1314.9 1154.26,1313.04 1195.44,1313.04 1200.15,1317.75 1200.15,1337.31 1180.01,1357.45 1180.01,1621.73 1234.9,1798.63 ; 1234.88,1798.59 1246.39,1810.09 1246.39,1825.97 v1(1246.97,1826.55)